# Altium PCB lamp_controller.PcbDoc (part 2 of 3) (continued)
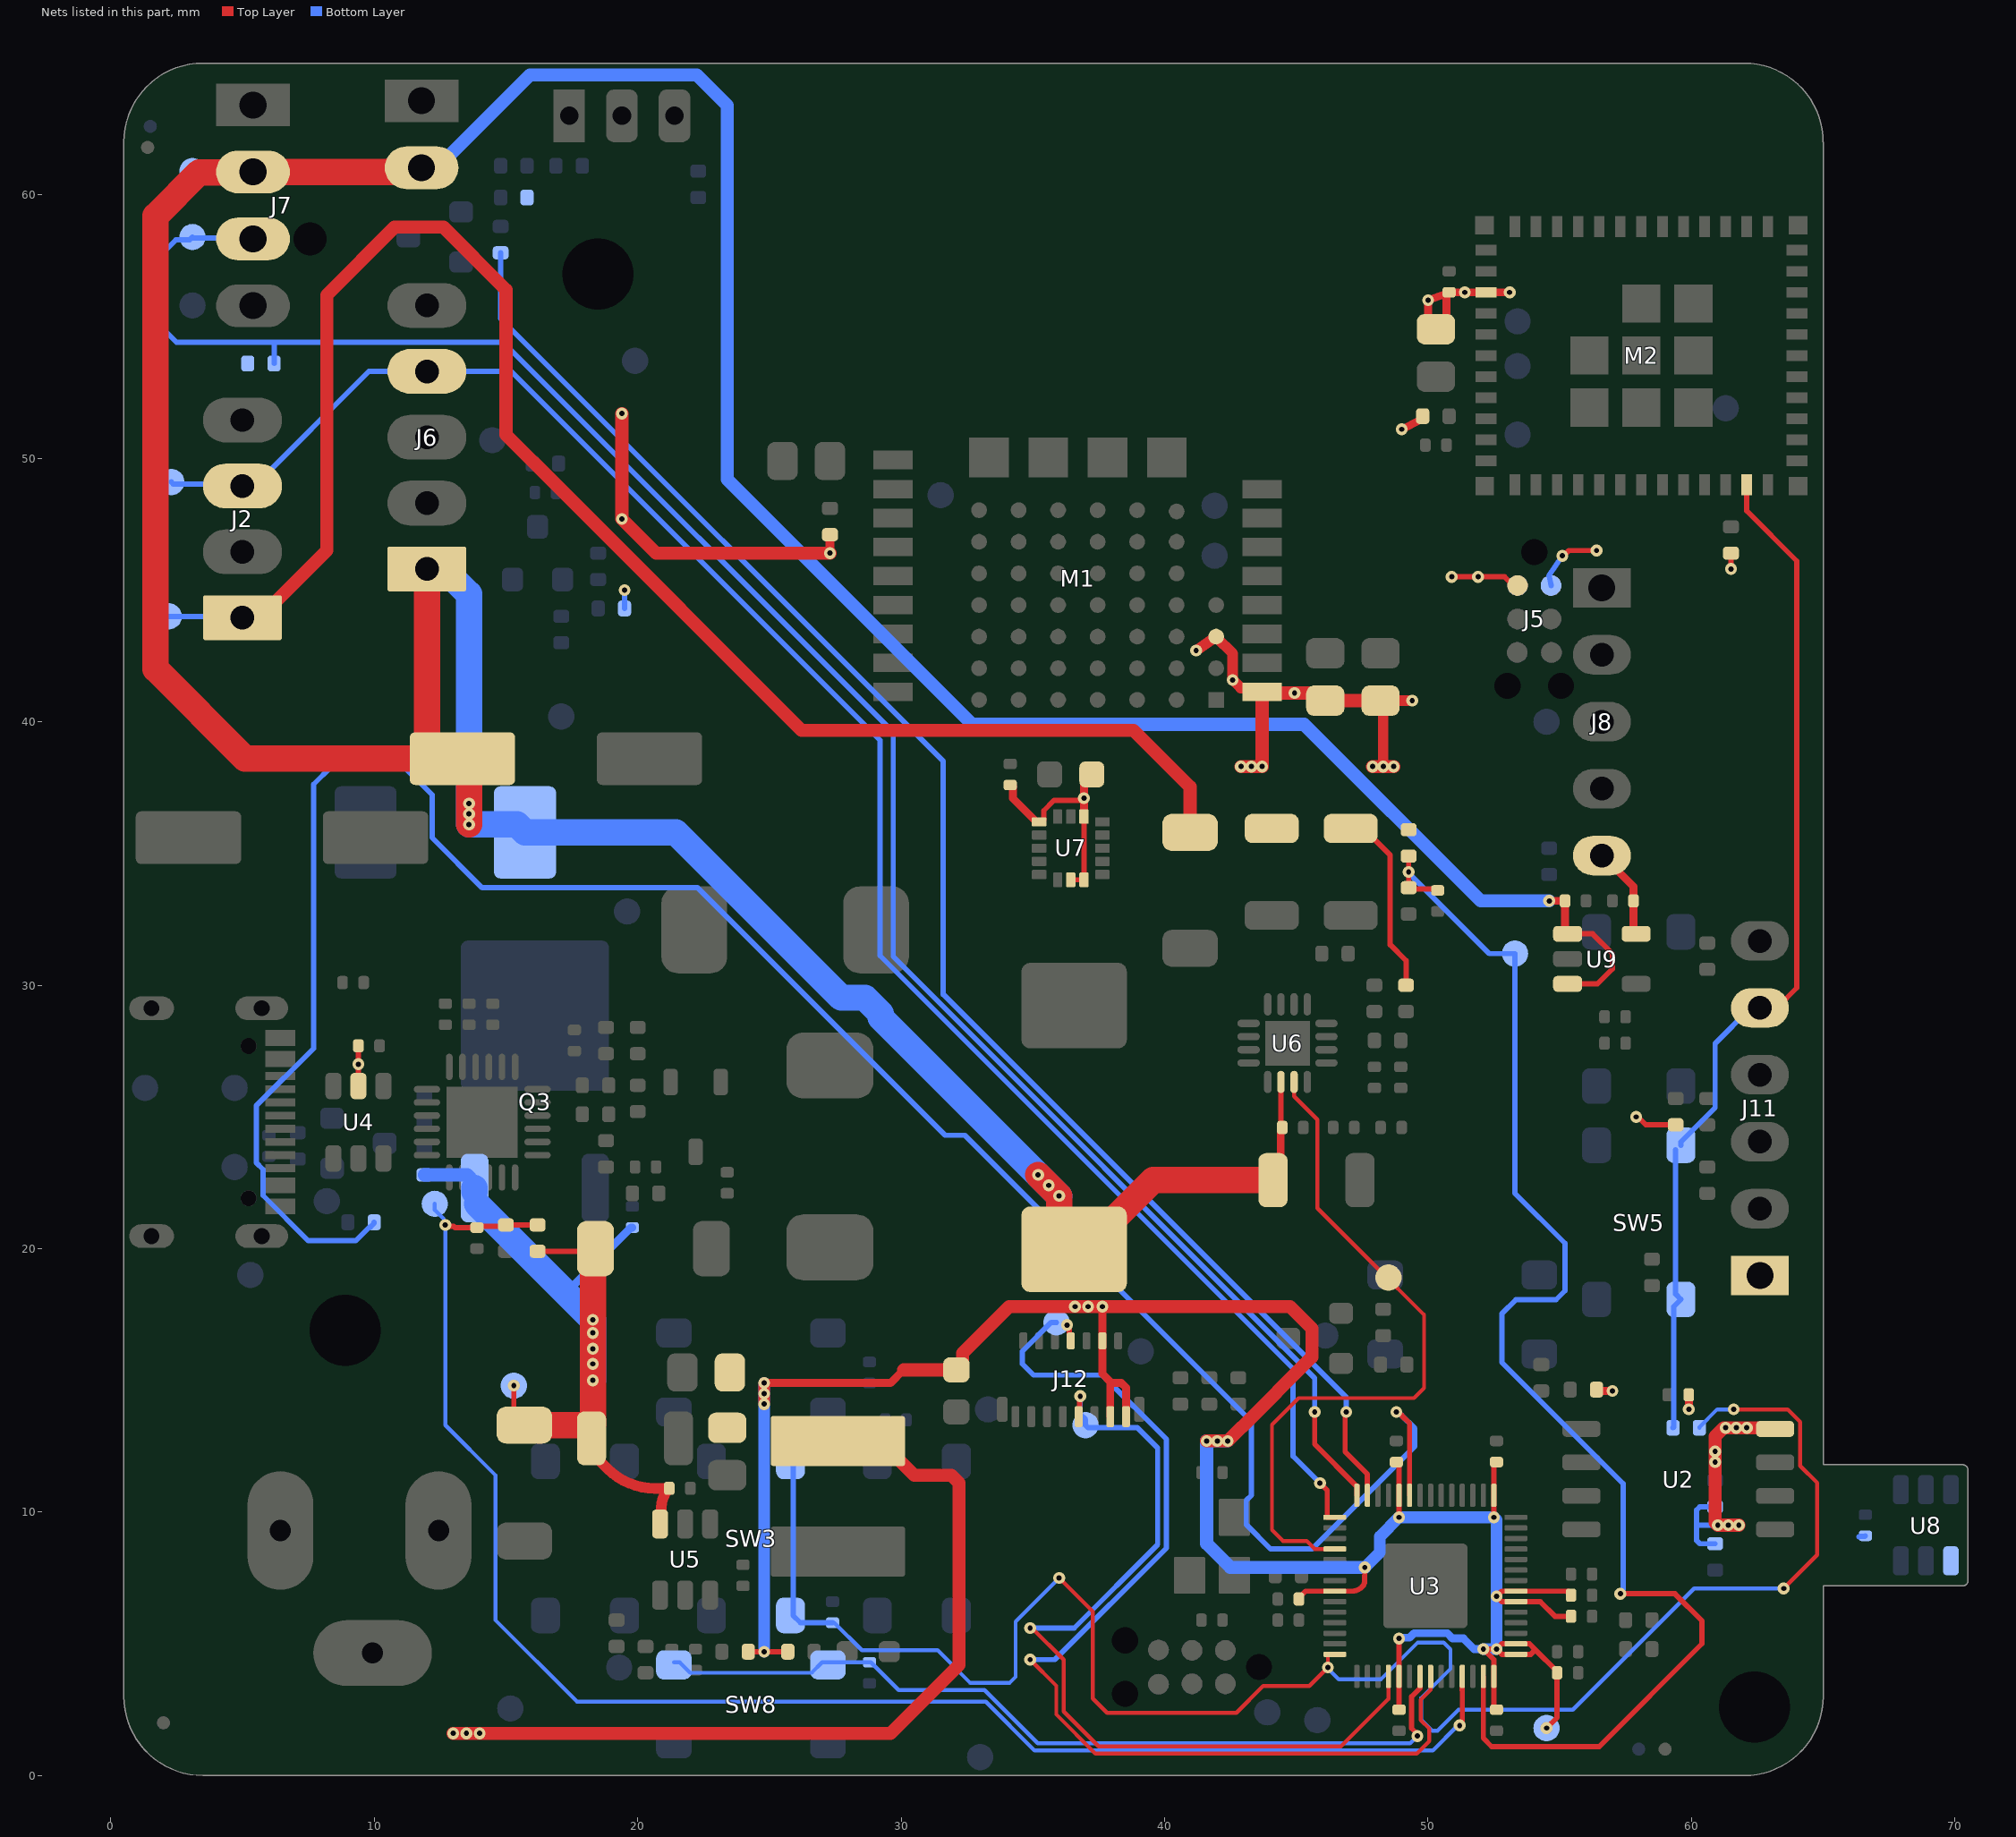
[diagram p4: the nets of this part, all layers, seen from the top]
## Part data (continued)
J10: library part 22-23-2021, "2-Pin 0.1\" header, through-hole", Contact Resistance=10mR, Flammability Rating="UL94 V-0", Insulation Color=White, Insulation Resistance=1GR, Manufacturer=Molex, Supplier Part Number 1=C234180, Body Breadth=0.25inch, Body Depth=0.322inch, Body Length=0.194inch, Body/Shell Style=RECEPTACLE, Category="Headers and Wire Housings", ComponentLink1Description=https://datasheet.ciiva.com:443/pdfs/VipMasterIC/IC/MOLE/MOLE-S-A0002956908/MOLE-S-A0002956550-1.pdf?src-supplier=IHS+Markit, ComponentLink1URL=https://datasheet.ciiva.com:443/pdfs/VipMasterIC/IC/MOLE/MOLE-S-A0002956908/MOLE-S-A0002956550-1.pdf?src-supplier=IHS+Markit, ComponentLink2Description=https://datasheet.ciiva.com/11746/0900766b80d8f4d1-11746058.pdf?src-supplier=Rs, ComponentLink2URL=https://datasheet.ciiva.com/11746/0900766b80d8f4d1-11746058.pdf?src-supplier=Rs, ComponentLink3Description=https://datasheet.ciiva.com/22683/1834442-22683561.pdf?src-supplier=Element14, ComponentLink3URL=https://datasheet.ciiva.com/22683/1834442-22683561.pdf?src-supplier=Element14, Connector Type="BOARD CONNECTOR", Contact Finish - Mating="NOT SPECIFIED", Contact Finish - Termination="Matte Tin/Copper (Sn/Cu)", Contact Gender=Male, Contact Material=Brass, Contact Pattern=RECTANGULAR, Contact Style="SQ PIN-SKT", DIN Conformance=No, Filter Feature=No, IEC Conformance=No, Insertion Force-Max=4.8928N, Insulation Material=Nylon, JESD-609 Code=e2, Manufacturer Part Number=22-23-2021, Mating Contact Pitch=0.1inch, Mating Information="MULTIPLE MATING PARTS AVAILABLE", MIL Conformance=No, Mixed Contacts=No, Mounting Option 1="FRICTION LOCK", Mounting Option 2=LOCKING, Mounting Style=STRAIGHT, Mounting Technology=Board, Number Of Connectors=1, Number of Contacts=2, Number Of PCB Rows=1, Number of Rows Loaded=1, Option="General Purpose", PCB Contact Pattern=RECTANGULAR, Plating Thickness=100uin, Pricing 1="5=0.0881, 50=0.0704, 150=0.0615, 500=0.0548, 2850=0.0481, 5700=0.0454 (USD)", Reach SVHC Compliant=Yes, Reference Standard=UL, Reliability=COMMERCIAL, RoHS=Yes, RoHS Compliant=Yes, Stock 1=9755, Supplier 1=LCSC, Terminal Length=0.14inch, Terminal Pitch=2.54mm, Termination=Solder
J11: library part 69190-106HLF, "6-Pin 0.1\" unshrouded header pins", Flammability Rating="UL94 V-0", Insulation Color=Black, Manufacturer="Amphenol ICC / FCI", Manufacturer Series=69190, Supplier Part Number 1=649-69190-106HLF, Body Breadth=0.095inch, Body Depth=0.1inch, Body Length=0.6inch, Category=Connectors, ComponentLink1Description=https://datasheet.ciiva.com/721/69190-721132.pdf?src-supplier=Digikey, ComponentLink1URL=https://datasheet.ciiva.com/721/69190-721132.pdf?src-supplier=Digikey, Connector Type="BOARD CONNECTOR", Contact Finish - Termination="GOLD (30) OVER NICKEL/NICKEL PALLADIUM GOLD (30) OVER NICKEL", Contact Gender=Male, Contact Material=Bronze, Contact Pattern=RECTANGULAR, Contact Style="SQ PIN-SKT", DIN Conformance=No, Filter Feature=No, IEC Conformance=No, JESD-609 Code=e4, Manufacturer Part Number=69190-106HLF, Mating Contact Pitch=0.1inch, MIL Conformance=No, Mixed Contacts=No, Mounting Option 1=LOCKING, Mounting Style=STRAIGHT, Mounting Technology=Board, Number Of Connectors=1, Number of Contacts=6, Number Of PCB Rows=1, Number of Rows Loaded=1, Option="General Purpose", PCB Contact Pattern=RECTANGULAR, Plating Thickness=30uin, Pricing 1="1=0.67, 10=0.521, 50=0.521, 100=0.457, 1000=0.343, 10000=0.309 (USD)", Reach SVHC Compliant=Yes, Reference Standard=UL, Reliability=COMMERCIAL, RoHS=Yes, RoHS Compliant=Yes, Supplier 1=Mouser, Terminal Length=0.12inch, Terminal Pitch=2.54mm, Termination=Solder
J12: library part "LCD Connector", "ER-TFT1.54-2 1.54\" IPS LCD, 240x240, ST7789 controller, FH35C-15S-0.3SHW(50) connector", Contact Resistance=100mR, Dielectric Withstanding Voltage (AC)=90V, Insulation Resistance=50MR, Manufacturer=HRS, Manufacturer Part Number=FH35C-15S-0.3SHW(50), Max Operating Temperature=85°C, Min Operating Temperature=-55°C, Rated Current (Signal)=200mA, Supplier Part Number 1=26-FH35C-15S-0.3SHW(50)CT-ND, Body Breadth=0.035inch, Body Depth=0.132inch, Body Length=0.24inch, Category="FFC / FPC", ComponentLink1Description=https://datasheet.ciiva.com:443/pdfs/VipMasterIC/IC/HIRO/HIRO-S-A0001800865/HIRO-S-A0001800865-1.pdf?src-supplier=IHS+Markit, ComponentLink1URL=https://datasheet.ciiva.com:443/pdfs/VipMasterIC/IC/HIRO/HIRO-S-A0001800865/HIRO-S-A0001800865-1.pdf?src-supplier=IHS+Markit, ComponentLink2Description=https://datasheet.ciiva.com/29758/ed-fh35c-20140305-29758967.pdf?src-supplier=Digikey, ComponentLink2URL=https://datasheet.ciiva.com/29758/ed-fh35c-20140305-29758967.pdf?src-supplier=Digikey, Connector Type="CARD EDGE CONNECTOR", Contact Finish - Mating="AU ON NI", Contact Material=Bronze, Contact Pattern=STAGGERED, Contact Style="BELLOWED TYPE", Durability=10Cycles, Mating Contact Pitch=0.024inch, Mounting Option 1=LOCKING, Mounting Style="RIGHT ANGLE", Mounting Technology=Board, Number of Contacts=15, Number Of PCB Rows=2, Number of Rows Loaded=2, PCB Contact Pattern=STAGGERED, PCB Contact Row Spacing=2.8702mm, Pricing 1="1=1.87, 10=1.525, 25=1.4056, 50=1.3216, 100=1.2428, 250=1.14576, 500=1.07746, 1000=1.01326, 2500=0.9375 (USD)", Reliability=COMMERCIAL, RoHS Compliant=Yes, Stock 1=3489, Supplier 1=Digikey, Terminal Pitch=0.6096mm, Termination=SMD/SMT
L1: "22 μH, 2 A, 20%, 2424 Inductor", Case/Size Code=2424, DC Resistance (DCR)=139.1mΩ, Inductance-Nom (L)=22μH, Inductor Application="RF INDUCTOR", Inductor Type="GENERAL PURPOSE INDUCTOR", Manufacturer="Taiyo Yuden", Max Current Rating=2A, Max Operating Temperature=125°C, Min Operating Temperature=-40°C, Self Resonant Frequency=7MHz, Supplier Part Number 1=C515390, Test Frequency=100kHz, Tolerance=20%, Category="Fixed Inductors", Channels=1, ComponentLink1Description=https://datasheet.ciiva.com:443/pdfs/VipMasterIC/IC/TAIY/TAIY-S-A0009101225/TAIY-S-A0009101504-1.pdf?src-supplier=IHS+Markit, ComponentLink1URL=https://datasheet.ciiva.com:443/pdfs/VipMasterIC/IC/TAIY/TAIY-S-A0009101225/TAIY-S-A0009101504-1.pdf?src-supplier=IHS+Markit, ComponentLink2Description=https://datasheet.ciiva.com/29697/nrs6045t220mmgkv-ss-29697444.pdf?src-supplier=Digi-Key, ComponentLink2URL=https://datasheet.ciiva.com/29697/nrs6045t220mmgkv-ss-29697444.pdf?src-supplier=Digi-Key, Manufacturer Part Number=NRS6045T220MMGKV, Pins=2, Pricing 1="1=0.2713, 10=0.2238, 30=0.2035, 100=0.1781, 500=0.1668, 1500=0.16 (USD)", Reach SVHC Compliant=Yes, Reference Standard=AEC-Q200, RoHS=Yes, RoHS Compliant=Yes, Shape/Size Description="RECTANGULAR PACKAGE", Shielding=Unshielded, Stock 1=877, Supplier 1=LCSC, Surface Mount=Yes, Terminal Placement="Dual Ended", Termination="One Surface"
L2: "10 μH, 8A, 1050 Inductor", Current=8A, Inductance=10μH, Manufacturer=TECHFUSE, Package=1050, Manufacturer Part Number=SL1050-100M, RoHS=Yes
L3: "10 μH, 5.5 A, 6.6mm x 7.3mm inductor", Inductance=10μH, Manufacturer=SXN, Saturation Current=5.5A, Supplier Part Number 1=C128692, Manufacturer Part Number=SMMS0630-100M, Pricing 1="5=0.0834, 50=0.0677, 150=0.0596, 1000=0.0466, 2000=0.0442, 5000=0.0427 (USD)", RoHS=No, Stock 1=72935, Supplier 1=LCSC
LED0: "Green LED, 0603", Color=Green, Forward Current-Max=20mA, Forward Voltage-Max=3.6V, Manufacturer="Vishay Lite-On", Max Operating Temperature=80°C, Min Operating Temperature=-20°C, Package=0603, Reverse Voltage-Max=5V, Supplier Part Number 1=160-1888-1-ND, Category=LEDs, Color@wavelength=Green, ComponentLink1Description=https://datasheet.ciiva.com:443/pdfs/VipMasterIC/IC/LITE/LITE-S-A0003155974/LITE-S-A0003155974-1.pdf?src-supplier=IHS+Markit, ComponentLink1URL=https://datasheet.ciiva.com:443/pdfs/VipMasterIC/IC/LITE/LITE-S-A0003155974/LITE-S-A0003155974-1.pdf?src-supplier=IHS+Markit, ComponentLink2Description=https://datasheet.ciiva.com/16444/ltst-c191tgkt-16444757.pdf?src-supplier=Future+Electronics, ComponentLink2URL=https://datasheet.ciiva.com/16444/ltst-c191tgkt-16444757.pdf?src-supplier=Future+Electronics, ComponentLink3Description=https://datasheet.ciiva.com/11773/0900766b80dc02b5-11773683.pdf?src-supplier=RSComponents, ComponentLink3URL=https://datasheet.ciiva.com/11773/0900766b80dc02b5-11773683.pdf?src-supplier=RSComponents, ComponentLink4Description=https://datasheet.ciiva.com/12403/lite-on-ltst-c191tgkt-190137-12403796.pdf?src-supplier=Mouser, ComponentLink4URL=https://datasheet.ciiva.com/12403/lite-on-ltst-c191tgkt-190137-12403796.pdf?src-supplier=Mouser, ComponentLink5Description=https://datasheet.ciiva.com/6352/s-110-ltst-c191tgkt-6352682.pdf?src-supplier=Digi-Key, ComponentLink5URL=https://datasheet.ciiva.com/6352/s-110-ltst-c191tgkt-6352682.pdf?src-supplier=Digi-Key, ComponentLink6Description=https://datasheet.ciiva.com/6352/s-110-ltst-c191tgkt-6352684.pdf?src-supplier=Digi-Key, ComponentLink6URL=https://datasheet.ciiva.com/6352/s-110-ltst-c191tgkt-6352684.pdf?src-supplier=Digi-Key, ComponentLink7Description=https://datasheet.ciiva.com/6352/s-110-ltst-c191tgkt-6352683.pdf?src-supplier=Digi-Key, ComponentLink7URL=https://datasheet.ciiva.com/6352/s-110-ltst-c191tgkt-6352683.pdf?src-supplier=Digi-Key, House Part Number=LTST-C191TGKT, JESD-609 Code=e3, Lens Style="WATER CLEAR", Luminous Intensity-Min=130cd, Luminous Intensity-Nom=260.5mcd, Manufacturer Part Number=LTST-C191TGKT, Mount="Surface Mount", Number of Functions=1, Number of Pins=2, Optoelectronic Device Type="SINGLE COLOR LED", Overall Height=0.55mm, Packaging="Tape and Reel", Pricing 1="1=0.53000, 10=0.32300, 100=0.18580, 1000=0.14544, 2000=0.13332 (USD)", Reach SVHC Compliant=Yes, RoHS=Yes, RoHS Compliant=Yes, Shape=Rectangular, Size=1.1mm, Stock 1=478546, Supplier 1=Digi-Key, Terminal Finish=Tin, Terminal Pitch=1.5mm, Viewing Angle=130°
M1: library part WT02C40C, "nRF5340 BLE/WIFI module", Manufacturer Part Number=WT02C40C
M2: library part ESP32-C6-MINI-1-N4, "ESP32-C6 chipset, PCB antenna, SMD-53", Manufacturer="Espressif Systems", Supplier Part Number 1=1965-ESP32-C6-MINI-1-N4CT-ND, Category=LDO, Manufacturer Part Number=ESP32-C6-MINI-1-N4, Pricing 1="1=2.5 (USD)", RoHS=No, Stock 1=3251, Supplier 1=Digikey
Q1 Q4 Q5 Q6: "N-FET, 30 V, 5.8 A, SOT-23-3", Drain Current-Max (Abs) (ID)=5.8A, Drain-source On Resistance-Max=28mR, DS Breakdown Voltage-Min=30V, Manufacturer=Diodes, Max Operating Temperature=150°C, Operating Mode="ENHANCEMENT MODE", Package=SOT-23-3, Package Body Material=Plastic, Package Shape=Rectangular, Package Style="SMALL OUTLINEMeter", Peak Reflow Temperature (Cel)=260°C, Power Dissipation-Max (Abs)=1.4W, Pulsed Drain Current-Max (IDM)=30A, Supplier Part Number 1=DMN3404LDITR-ND, Time @ Peak Reflow Temperature-Max (s)=40s, Additional Feature="HIGH RELIABILITY", Category=MOSFETs, ComponentLink1Description=https://datasheet.ciiva.com:443/pdfs/VipMasterIC/IC/DIOD/DIODS20277/DIODS20277-1.pdf?src-supplier=IHS+Markit, ComponentLink1URL=https://datasheet.ciiva.com:443/pdfs/VipMasterIC/IC/DIOD/DIODS20277/DIODS20277-1.pdf?src-supplier=IHS+Markit, ComponentLink2Description=https://datasheet.ciiva.com/4444/ds31787-65102-4444489.pdf?src-supplier=Mouser, ComponentLink2URL=https://datasheet.ciiva.com/4444/ds31787-65102-4444489.pdf?src-supplier=Mouser, ComponentLink3Description=https://datasheet.ciiva.com/8115/ds31787-8115384.pdf?src-supplier=Avnet, ComponentLink3URL=https://datasheet.ciiva.com/8115/ds31787-8115384.pdf?src-supplier=Avnet, ComponentLink4Description=https://datasheet.ciiva.com/16508/ds31787-16508477.pdf?src-supplier=Future+Electronics, ComponentLink4URL=https://datasheet.ciiva.com/16508/ds31787-16508477.pdf?src-supplier=Future+Electronics, ComponentLink5Description=https://datasheet.ciiva.com/8023/ds31787-8023981.pdf?src-supplier=Element14, ComponentLink5URL=https://datasheet.ciiva.com/8023/ds31787-8023981.pdf?src-supplier=Element14, ComponentLink6Description=https://datasheet.ciiva.com/934/ds31787-934594.pdf?src-supplier=Digi-Key, ComponentLink6URL=https://datasheet.ciiva.com/934/ds31787-934594.pdf?src-supplier=Digi-Key, ComponentLink7Description=https://datasheet.ciiva.com/934/ds31787-934595.pdf?src-supplier=Digi-Key, ComponentLink7URL=https://datasheet.ciiva.com/934/ds31787-934595.pdf?src-supplier=Digi-Key, ComponentLink8Description=https://datasheet.ciiva.com/934/ds31787-934593.pdf?src-supplier=Digi-Key, ComponentLink8URL=https://datasheet.ciiva.com/934/ds31787-934593.pdf?src-supplier=Digi-Key, Drain Current-Max (ID)=5.8A, FET Technology="METAL-OXIDE SEMICONDUCTOR", JESD-30 Code=R-PDSO-G3, JESD-609 Code=e3, Manufacturer Part Number=DMN3404L-7, Moisture Sensitivity Level=1, Number of Elements=1, Pins=3, Polarity/Channel Type=N-CHANNEL, Pricing 1="3000=0.07535, 6000=0.06781, 15000=0.06028, 30000=0.05651, 75000=0.05011, 150000=0.04822 (USD)", Qualification Status="Not Qualified", Reach SVHC Compliant=Yes, RoHS=Yes, RoHS Compliant=Yes, Stock 1=150000, Supplier 1=Digi-Key, Surface Mount=Yes, Terminal Finish=Tin, Terminal Form="Gull Wing", Terminal Position=DUAL, Transistor Application=SWITCHING, Transistor Element Material=SILICON
Q2: library part AO3401A, "P-FET, 30V, 4A, SOT-23-3", Drain Current-Max (Abs) (ID)=4A, Drain-source On Resistance-Max=50mR, DS Breakdown Voltage-Min=30V, Manufacturer="Alpha & Omega Semiconductor", Max Operating Temperature=150°C, Operating Mode="ENHANCEMENT MODE", Package=SOT-23-3, Package Body Material=Plastic, Package Shape=Rectangular, Package Style="SMALL OUTLINEMeter", Power Dissipation-Max (Abs)=1.4W, Supplier Part Number 1=C15127, Category=MOSFETs, ComponentLink1Description=https://datasheet.ciiva.com:443/pdfs/VipMasterIC/IC/ALOM/ALOMS00379/ALOMS00379-1.pdf?src-supplier=IHS+Markit, ComponentLink1URL=https://datasheet.ciiva.com:443/pdfs/VipMasterIC/IC/ALOM/ALOMS00379/ALOMS00379-1.pdf?src-supplier=IHS+Markit, ComponentLink2Description=https://datasheet.ciiva.com/940/ao3401a-940720.pdf?src-supplier=Digikey, ComponentLink2URL=https://datasheet.ciiva.com/940/ao3401a-940720.pdf?src-supplier=Digikey, ComponentLink3Description=https://datasheet.ciiva.com/26927/getdatasheetpartid-79048-26927888.pdf?src-supplier=Verical, ComponentLink3URL=https://datasheet.ciiva.com/26927/getdatasheetpartid-79048-26927888.pdf?src-supplier=Verical, Drain Current-Max (ID)=4A, FET Technology="METAL-OXIDE SEMICONDUCTOR", JESD-30 Code=R-PDSO-G3, Manufacturer Part Number=AO3401A, Number of Elements=1, Pins=3, Polarity/Channel Type=P-CHANNEL, Pricing 1="10=0.0527, 100=0.0437, 300=0.039, 3000=0.0352, 6000=0.0338, 9000=0.0329 (USD)", Reach SVHC Compliant=Yes, RoHS=Yes, RoHS Compliant=Yes, Stock 1=274360, Supplier 1=LCSC, Surface Mount=Yes, Terminal Form="Gull Wing", Terminal Position=DUAL, Transistor Application=SWITCHING, Transistor Element Material=SILICON
Q3: library part DMP4051LK3-13, "P-FET, 40V, 10.5A, TO-252", Case/Package=TO-252, Continuous Drain Current (ID)=10.5A, Drain to Source Resistance=41mR, Drain to Source Voltage (Vdss)=40V, Drain-source On Resistance-Max=51mR, Gate to Source Voltage (Vgs)=20V, Input Capacitance=674pF, Manufacturer="Diodes Zetex", Max Operating Temperature=150°C, Max Power Dissipation=4.18W, Min Operating Temperature=-55°C, Package Quantity=1, Supplier Part Number 1=C397952, Threshold Voltage=-3V, Category=MOSFETs, ComponentLink1Description=https://datasheet.ciiva.com/935/dmp4051lk3-935120.pdf?src-supplier=Digikey, ComponentLink1URL=https://datasheet.ciiva.com/935/dmp4051lk3-935120.pdf?src-supplier=Digikey, ComponentLink2Description=https://datasheet.ciiva.com/4443/dmp4051lk3-70059-4443156.pdf?src-supplier=Mouser, ComponentLink2URL=https://datasheet.ciiva.com/4443/dmp4051lk3-70059-4443156.pdf?src-supplier=Mouser, ComponentLink3Description=https://datasheet.ciiva.com/935/dmp4051lk3-935119.pdf?src-supplier=Digikey, ComponentLink3URL=https://datasheet.ciiva.com/935/dmp4051lk3-935119.pdf?src-supplier=Digikey, ComponentLink4Description=https://datasheet.ciiva.com/935/dmp4051lk3-935121.pdf?src-supplier=Digikey, ComponentLink4URL=https://datasheet.ciiva.com/935/dmp4051lk3-935121.pdf?src-supplier=Digikey, ComponentLink5Description=https://datasheet.ciiva.com/16434/dmp4051lk3-16434015.pdf?src-supplier=Future+Electronics, ComponentLink5URL=https://datasheet.ciiva.com/16434/dmp4051lk3-16434015.pdf?src-supplier=Future+Electronics, Fall Time=14.3ns, Height=2.39mm, Lead Free="Lead Free", Length=6.7mm, Manufacturer Part Number=DMP4051LK3-13, Mounting Technology="Surface Mount", Number of Channels=1, Packaging="Tape and Reel", Pins=3, Polarity=P-FET, Pricing 1="5=0.2313, 50=0.1826, 150=0.1618, 500=0.1358, 2500=0.1193, 5000=0.1123 (USD)", Rds On Max=51mR, Reach SVHC Compliant=No, Rise Time=14.1ns, RoHS=Yes, RoHS Compliant=Yes, Series=-, Stock 1=7860, Supplier 1=LCSC, Turn-Off Delay Time=25.1ns, Turn-On Delay Time=2.3ns, Weight=0.139332oz, Width=6.2mm
R1 R2 R17 R19 R20 R44: "100 kΩ, 0402 Chip resistor", Case/Package=0402, Manufacturer="Stackpole Electronics", Max Operating Temperature=155°C, Min Operating Temperature=-55°C, Package Height=0.3mm, Package Length=1mm, Package Shape=Rectangular, Package Style=SMTMeter, Package Width=0.5mm, Power=63mW, Rated Temperature=70°C, Resistor Type="FIXED RESISTOR", Supplier Part Number 1=RMCF0402FT100KCT-ND, Temperature Coefficient=100ppm/°C, Tolerance=1%, Working Voltage=50V, Category="Chip SMD Resistors", ComponentLink1Description=https://datasheet.ciiva.com:443/pdfs/VipMasterIC/IC/SEIE/SEIE-S-A0009541969/SEIE-S-A0009541969-1.pdf?src-supplier=IHS+Markit, ComponentLink1URL=https://datasheet.ciiva.com:443/pdfs/VipMasterIC/IC/SEIE/SEIE-S-A0009541969/SEIE-S-A0009541969-1.pdf?src-supplier=IHS+Markit, ComponentLink2Description=https://datasheet.ciiva.com/15193/getdatasheetpartid-482656-15193415.pdf?src-supplier=Verical, ComponentLink2URL=https://datasheet.ciiva.com/15193/getdatasheetpartid-482656-15193415.pdf?src-supplier=Verical, Construction=Rectangular, JESD-609 Code=e3, Manufacturer Part Number=RMCF0402FT100K, Mounting Technology="Surface Mount", Packaging="Tape and Reel", Pins=2, Pricing 1="1=0.1, 10=0.02, 50=0.011, 100=0.0089, 500=0.00566, 1000=0.00475, 5000=0.00328 (USD)", Reach SVHC Compliant=Yes, Reference Standard=AEC-Q200, RoHS=Yes, RoHS Compliant=Yes, Stock 1=3573736, Supplier 1=Digi-Key, Technology="METAL GLAZE/THICK FILM", Terminal Finish=Nickel, Termination=Wraparound
R3 R6 R10 R12 R21 R27 R31 R32 R33 R34 R35 R36 R39 R40 R41 R45 R53: "10 kΩ, 0402 Chip resistor", Case Code (Imperial)=0402, Case Code (Metric)=1005, Manufacturer="Stackpole Electronics", Max Operating Temperature=155°C, Max Power Dissipation=63mW, Min Operating Temperature=-55°C, Power Rating=62.5mW, Resistance=10kΩ, Resistor Type="Thick Film", Supplier Part Number 1=RMCF0402FT10K0CT-ND, Temperature Coefficient=100ppm/°C, Tolerance=1%, Case/Package=0402, Category="Chip SMD Resistors", ComponentLink1Description=https://datasheet.ciiva.com/24341/sei-rmcp-24341800.pdf?src-supplier=Onlinecomponents.com, ComponentLink1URL=https://datasheet.ciiva.com/24341/sei-rmcp-24341800.pdf?src-supplier=Onlinecomponents.com, Construction=Rectangular, Contact Plating=Tin,Matte, Depth=0.5mm, Features="Automotive AEC-Q200", Height=0.016inch, house_part_number=R-10k-0402-1%-001, Lead Free="Lead Free", Length=1mm, Manufacturer Part Number=RMCF0402FT10K0, Military Standard=Not, Mount="Surface Mount", Number of Terminations=2, Packaging="Tape and Reel", Pricing 1="1=0.10000, 10=0.01300, 100=0.00530, 1000=0.00239, 2500=0.00207, 5000=0.00171 (USD)", Radiation Hardening=No, RoHS=Yes, RoHS Compliant=Yes, Series=RMCF, Size Code=0402, Stock 1=7219214, Supplier 1=Digi-Key, Width=0.02inch
R4 R9 R15 R22 R24 R46: "1 kΩ, 0402 Chip resistor", Manufacturer=Bourns, Max Operating Temperature=125°C, Min Operating Temperature=-55°C, Package Height=0.35mm, Package Length=1mm, Package Shape=Rectangular, Package Style=SMTMeter, Package Width=0.5mm, Rated Power Dissipation (P)=62.5mW, Rated Temperature=70°C, Resistance=1kΩ, Resistor Type="FIXED RESISTOR", Supplier Part Number 1=CR0402-FX-1001GLFTR-ND, Temperature Coefficient=100ppm/°C, Tolerance=1%, Working Voltage=50V, Category="Chip SMD Resistors", ComponentLink1Description=https://datasheet.ciiva.com:443/pdfs/VipMasterIC/IC/BOUR/BOUR-S-A0008953887/BOUR-S-A0008953887-1.pdf?src-supplier=IHS+Markit, ComponentLink1URL=https://datasheet.ciiva.com:443/pdfs/VipMasterIC/IC/BOUR/BOUR-S-A0008953887/BOUR-S-A0008953887-1.pdf?src-supplier=IHS+Markit, ComponentLink2Description=https://datasheet.ciiva.com/5734/1845296-5734926.pdf?src-supplier=Farnell, ComponentLink2URL=https://datasheet.ciiva.com/5734/1845296-5734926.pdf?src-supplier=Farnell, ComponentLink3Description=https://datasheet.ciiva.com/11821/0900766b80fcdb41-11821108.pdf?src-supplier=RSComponents, ComponentLink3URL=https://datasheet.ciiva.com/11821/0900766b80fcdb41-11821108.pdf?src-supplier=RSComponents, ComponentLink4Description=https://datasheet.ciiva.com/9123/cr0402-9123631.pdf?src-supplier=Avnet, ComponentLink4URL=https://datasheet.ciiva.com/9123/cr0402-9123631.pdf?src-supplier=Avnet, ComponentLink5Description=https://datasheet.ciiva.com/30154/cr0402-30154590.pdf?src-supplier=Onlinecomponents.com, ComponentLink5URL=https://datasheet.ciiva.com/30154/cr0402-30154590.pdf?src-supplier=Onlinecomponents.com, Construction=Chip, JESD-609 Code=e3, Manufacturer Part Number=CR0402-FX-1001GLF, Mount="Surface Mount", Number of Pins=2, Packaging="Tape and Reel", Pricing 1="10000=0.00114 (USD)", REACH SVHC=Yes, RoHS=Yes, RoHS Compliant=Yes, Size Code=0402, Stock 1=398310, Supplier 1=Digi-Key, Technology="RUTHENIUM OXIDE", Terminal Finish=Nickel, Termination=Wraparound
R5 R7 R14 R16 R23 R37 R38 R42 R43 R47 R48 R52 R55: "100 Ω, 0402 Chip resistor", Case Code (Imperial)=0402, Case Code (Metric)=1005, Manufacturer="Stackpole Electronics", Max Operating Temperature=155°C, Max Power Dissipation=63mW, Min Operating Temperature=-55°C, Power Rating=62.5mW, Resistance=100Ω, Resistor Type="Thick Film", Supplier Part Number 1=RMCF0402FT100RCT-ND, Temperature Coefficient=100ppm/°C, Tolerance=1%, Case/Package=0402, Category="Chip SMD Resistors", ComponentLink1Description=http://components.arrow.com/part/dataview/50497758S7215546N1174?src-supplier=Arrow+Electronics, ComponentLink1URL=http://components.arrow.com/part/dataview/50497758S7215546N1174?src-supplier=Arrow+Electronics, ComponentLink2Description=https://www.seielect.com/catalog/sei-rmcf_rmcp.pdf?src-supplier=Digi-Key, ComponentLink2URL=https://www.seielect.com/catalog/sei-rmcf_rmcp.pdf?src-supplier=Digi-Key, ComponentLink3Description=https://www.seielect.com/Catalog/SEI-RMCF_RMCP.pdf?src-supplier=Avnet, ComponentLink3URL=https://www.seielect.com/Catalog/SEI-RMCF_RMCP.pdf?src-supplier=Avnet, ComponentLink4Description=https://www.verical.com/server-webapp/html/getDatasheet?partID=368652&src-supplier=Verical, ComponentLink4URL=https://www.verical.com/server-webapp/html/getDatasheet?partID=368652&src-supplier=Verical, ComponentLink5Description=https://www.seielect.com/Catalog/SEI-RMCF_RMCP.pdf?src-supplier=Avnet+Asia, ComponentLink5URL=https://www.seielect.com/Catalog/SEI-RMCF_RMCP.pdf?src-supplier=Avnet+Asia, Construction=Rectangular, Contact Plating=Tin,Matte, Depth=0.5mm, Features="Automotive AEC-Q200", Height=0.016inch, house_part_number=R-100-0402-1%-001, Lead Free="Lead Free", Length=1mm, Manufacturer Part Number=RMCF0402FT100R, Military Standard=Not, Mount="Surface Mount", Number of Terminations=2, Packaging="Tape and Reel", Pricing 1="1=0.10000, 10=0.01300, 100=0.00530, 1000=0.00238, 2500=0.00207, 5000=0.00171 (USD)", RoHS=Yes, RoHS Compliant=Yes, Series=RMCF, Stock 1=188482, Supplier 1=Digi-Key, Width=0.02inch
R8 R18 R54: "22.1 kΩ, 1%, 0402 Resistor", Case/Package=0402, Manufacturer=Yageo, Max Operating Temperature=155°C, Min Operating Temperature=-55°C, Package Height=0.35mm, Package Length=1mm, Package Shape=Rectangular, Package Width=0.5mm, Power=62.5mW, Rated Temperature=70°C, Resistor Type="FIXED RESISTOR", Supplier Part Number 1=311-22.1KLRCT-ND, Temperature Coefficient (ppm/Cel)=100, Tolerance=1%, Working Voltage=50V, Additional Feature="LASER TRIMMABLE", Category="Chip SMD Resistors", ComponentLink1Description=https://datasheet.ciiva.com:443/pdfs/VipMasterIC/IC/YAGO/YAGO-S-A0008145938/YAGO-S-A0008145938-1.pdf?src-supplier=IHS+Markit, ComponentLink1URL=https://datasheet.ciiva.com:443/pdfs/VipMasterIC/IC/YAGO/YAGO-S-A0008145938/YAGO-S-A0008145938-1.pdf?src-supplier=IHS+Markit, ComponentLink2Description=https://datasheet.ciiva.com/2553/pyu-r-int-thick-7-2553200.pdf?src-supplier=Digikey, ComponentLink2URL=https://datasheet.ciiva.com/2553/pyu-r-int-thick-7-2553200.pdf?src-supplier=Digikey, ComponentLink3Description=https://datasheet.ciiva.com/2553/pyu-r-int-thick-7-2553201.pdf?src-supplier=Digikey, ComponentLink3URL=https://datasheet.ciiva.com/2553/pyu-r-int-thick-7-2553201.pdf?src-supplier=Digikey, ComponentLink4Description=https://datasheet.ciiva.com/2553/pyu-r-int-thick-7-2553202.pdf?src-supplier=Digikey, ComponentLink4URL=https://datasheet.ciiva.com/2553/pyu-r-int-thick-7-2553202.pdf?src-supplier=Digikey, ComponentLink5Description=https://datasheet.ciiva.com/15189/getdatasheetpartid-251817-15189388.pdf?src-supplier=Verical, ComponentLink5URL=https://datasheet.ciiva.com/15189/getdatasheetpartid-251817-15189388.pdf?src-supplier=Verical, ComponentLink6Description=https://datasheet.ciiva.com/7983/1018594-7983501.pdf?src-supplier=Element14, ComponentLink6URL=https://datasheet.ciiva.com/7983/1018594-7983501.pdf?src-supplier=Element14, Construction=Chip, JESD-609 Code=e3, Manufacturer Part Number=RC0402FR-0722K1L, Mounting Technology="Surface Mount", Packaging="Tape and Reel", Pins=2, Pricing 1="1=0.1, 10=0.008, 100=0.0061, 1000=0.0051, 10000=0.00123 (USD)", Reach SVHC Compliant=Yes, RoHS=Yes, RoHS Compliant=Yes, Stock 1=259657, Supplier 1=Digikey, Technology="METAL GLAZE/THICK FILM", Terminal Finish=Nickel, Termination=Wraparound
R11: "49.9 Ω, 0402 Chip resistor", Case Code (Imperial)=0402, Case Code (Metric)=1005, Manufacturer="Stackpole Electronics", Max Operating Temperature=155°C, Max Power Dissipation=63mW, Min Operating Temperature=-55°C, Resistance=49.9Ω, Resistor Type="Thick Film", Supplier Part Number 1=RMCF0402FT49R9CT-ND, Temperature Coefficient=100ppm/°C, Tolerance=1%, Case/Package=0402, Category="Chip SMD Resistors", ComponentLink1Description=http://components.arrow.com/part/dataview/44987983S6966749N1174?src-supplier=Arrow+Electronics, ComponentLink1URL=http://components.arrow.com/part/dataview/44987983S6966749N1174?src-supplier=Arrow+Electronics, ComponentLink2Description=https://www.verical.com/server-webapp/html/getDatasheet?partID=362596&src-supplier=Verical, ComponentLink2URL=https://www.verical.com/server-webapp/html/getDatasheet?partID=362596&src-supplier=Verical, ComponentLink3Description=http://www.seielect.com/Catalog/SEI-RMCF_RMCP.pdf?src-supplier=Future+Electronics, ComponentLink3URL=http://www.seielect.com/Catalog/SEI-RMCF_RMCP.pdf?src-supplier=Future+Electronics, ComponentLink4Description=https://www.seielect.com/catalog/SEI-RMCF_RMCP.pdf?src-supplier=Avnet, ComponentLink4URL=https://www.seielect.com/catalog/SEI-RMCF_RMCP.pdf?src-supplier=Avnet, ComponentLink5Description=https://www.seielect.com/Catalog/SEI-RMCF_RMCP.pdf?src-supplier=Digi-Key, ComponentLink5URL=https://www.seielect.com/Catalog/SEI-RMCF_RMCP.pdf?src-supplier=Digi-Key, Construction=Rectangular, Contact Plating=Tin,Matte, Depth=0.5mm, Features="Automotive AEC-Q200", Height=0.016inch, house_part_number=R-49.9-0402-1%-001, Lead Free="Lead Free", Length=1mm, Manufacturer Part Number=RMCF0402FT49R9, Military Standard=Not, Mount="Surface Mount", Number of Terminations=2, Packaging="Tape and Reel", Power Rating=63mW, Pricing 1="1=0.10000, 10=0.01300, 100=0.00530, 1000=0.00238, 2500=0.00207, 5000=0.00171 (USD)", Radiation Hardening=No, RoHS=Yes, RoHS Compliant=Yes, Series=RMCF, Size Code=0402, Stock 1=723706, Supplier 1=Digi-Key, Width=0.02inch
R13: "0 Ω, 0402 Jumper", Case Code (Imperial)=0402, Case Code (Metric)=1005, Current Rating=1A, Manufacturer="Stackpole Electronics", Max Operating Temperature=155°C, Max Power Dissipation=63mW, Min Operating Temperature=-55°C, Resistance=0Ω, Resistor Type="Thick Film", Supplier Part Number 1=RMCF0402ZT0R00CT-ND, Working Voltage=50V, Case/Package=0402, Category="Chip SMD Resistors", ComponentLink1Description=https://datasheet.ciiva.com/26835/getdatasheetpartid-409751-26835612.pdf?src-supplier=Verical, ComponentLink1URL=https://datasheet.ciiva.com/26835/getdatasheetpartid-409751-26835612.pdf?src-supplier=Verical, Construction=Rectangular, Contact Plating=Tin,Matte, Depth=0.5mm, Features="Automotive AEC-Q200", Height=0.016inch, house_part_number=JP-0402-001, Lead Free="Lead Free", Length=0.039inch, Manufacturer Part Number=RMCF0402ZT0R00, Military Standard=Not, Mount="Surface Mount", Number of Terminations=2, Packaging="Tape and Reel", Power Rating=63mW, Pricing 1="1=0.10000, 10=0.01000, 25=0.00720, 50=0.00560, 100=0.00410, 250=0.00316, 500=0.00252, 1000=0.00186, 5000=0.00133 (USD)", Radiation Hardening=No, RoHS=Yes, RoHS Compliant=Yes, Series=RMCF, Stock 1=6500003, Supplier 1=Digi-Key, Technology="THICK FILM", Width=0.02inch
R25 R26 R49 R50 R51: "27 Ω, 0402 Chip resistor", Manufacturer="Stackpole Electronics", Max Operating Temperature=155°C, Min Operating Temperature=-55°C, Package Height=0.3mm, Package Length=1mm, Package Shape=Rectangular, Package Style=SMTMeter, Package Width=0.5mm, Rated Power Dissipation (P)=63mW, Rated Temperature=70°C, Resistance=27Ω, Resistor Type="FIXED RESISTOR", Supplier Part Number 1=RMCF0402FT27R0CT-ND, Temperature Coefficient=100ppm/°C, Tolerance=1%, Working Voltage=50V, Category="Chip SMD Resistors", ComponentLink1Description=https://datasheet.ciiva.com:443/pdfs/VipMasterIC/IC/SEIE/SEIE-S-A0009541969/SEIE-S-A0009541969-1.pdf?src-supplier=IHS+Markit, ComponentLink1URL=https://datasheet.ciiva.com:443/pdfs/VipMasterIC/IC/SEIE/SEIE-S-A0009541969/SEIE-S-A0009541969-1.pdf?src-supplier=IHS+Markit, ComponentLink2Description=https://www.seielect.com/catalog/SEI-RMCF_RMCP.pdf?src-supplier=Avnet, ComponentLink2URL=https://www.seielect.com/catalog/SEI-RMCF_RMCP.pdf?src-supplier=Avnet, ComponentLink3Description=https://www.seielect.com/catalog/sei-rmcf_rmcp.pdf?src-supplier=Digi-Key, ComponentLink3URL=https://www.seielect.com/catalog/sei-rmcf_rmcp.pdf?src-supplier=Digi-Key, ComponentLink4Description=http://www.seielect.com/Catalog/SEI-RMCF_RMCP.pdf?src-supplier=Digi-Key, ComponentLink4URL=http://www.seielect.com/Catalog/SEI-RMCF_RMCP.pdf?src-supplier=Digi-Key, Construction=Rectangular, house_part_number=R-27-0402-1%-001, JESD-609 Code=e3, Manufacturer Part Number=RMCF0402FT27R0, Mount="Surface Mount", Number of Pins=2, Packaging="Tape and Reel", Pricing 1="1=0.10000, 10=0.01500, 100=0.00610, 1000=0.00274, 2500=0.00238, 5000=0.00197 (USD)", REACH SVHC=Yes, Reference Standard=AEC-Q200, RoHS=Yes, RoHS Compliant=Yes, Size Code=0402, Stock 1=3710, Supplier 1=Digi-Key, Technology="METAL GLAZE/THICK FILM", Terminal Finish=Nickel, Termination=Wraparound
R28: "187 kΩ, 1%, 0402 Chip resistor", Case/Package=0402, Manufacturer=Yageo, Max Operating Temperature=155°C, Min Operating Temperature=-55°C, Package Height=0.32mm, Package Length=1mm, Package Shape=Rectangular, Package Width=0.5mm, Power=62.5mW, Rated Temperature=70°C, Resistance=187kΩ, Resistor Type="FIXED RESISTOR", Supplier Part Number 1=13-AC0402FR-07187KLCT-ND, Temperature Coefficient (ppm/Cel)=100, Tolerance=1%, Working Voltage=50V, Additional Feature="LASER TRIMMABLE", Category="Chip SMD Resistors", ComponentLink1Description=https://datasheet.ciiva.com:443/pdfs/VipMasterIC/IC/YAGO/YAGO-S-A0003597364/YAGO-S-A0003597364-1.pdf?src-supplier=IHS+Markit, ComponentLink1URL=https://datasheet.ciiva.com:443/pdfs/VipMasterIC/IC/YAGO/YAGO-S-A0003597364/YAGO-S-A0003597364-1.pdf?src-supplier=IHS+Markit, ComponentLink2Description=http://www.yageo.com/NewPortal/yageodocoutput?fileName=/pdf/R-Chip/PYu-AC_51_RoHS_L_6.pdf&src-supplier=Digikey, ComponentLink2URL=http://www.yageo.com/NewPortal/yageodocoutput?fileName=/pdf/R-Chip/PYu-AC_51_RoHS_L_6.pdf&src-supplier=Digikey, ComponentLink3Description=https://datasheet.octopart.com/AC0402FR-07187KL-Yageo-datasheet-166720450.pdf?src-supplier=Future+Electronics, ComponentLink3URL=https://datasheet.octopart.com/AC0402FR-07187KL-Yageo-datasheet-166720450.pdf?src-supplier=Future+Electronics, Construction=Chip, JESD-609 Code=e3, Manufacturer Part Number=AC0402FR-07187KL, Mounting Technology="Surface Mount", Packaging="Tape and Reel", Pins=2, Pricing 1="1=0.1, 10=0.005, 50=0.0046, 100=0.0041, 500=0.00306, 10000=0.00204, 20000=0.00194, 30000=0.00183 (USD)", Reach SVHC Compliant=Yes, Reference Standard=AEC-Q200, RoHS=Yes, RoHS Compliant=Yes, Stock 1=17067, Supplier 1=Digikey, Technology="METAL GLAZE/THICK FILM", Terminal Finish=Nickel, Termination=Wraparound